# Altium PCB IMX93EVK-SOM_Only-BGA-Fanouts_PrePlaced.PcbDoc (part 3 of 4)
Units mil, origin at the board's own origin, x right, y up, seen from the top; angles counter-clockwise.
Board outline 2903.05 x 2405.84 mil, 6 copper layers (TOP, L2_GND_1, L3_INT_1, L4_PWR, L5_GND_2, BOTTOM), stack 60.244 mil thick; 554 components, 400 nets, 2129 pads, 160 vias.
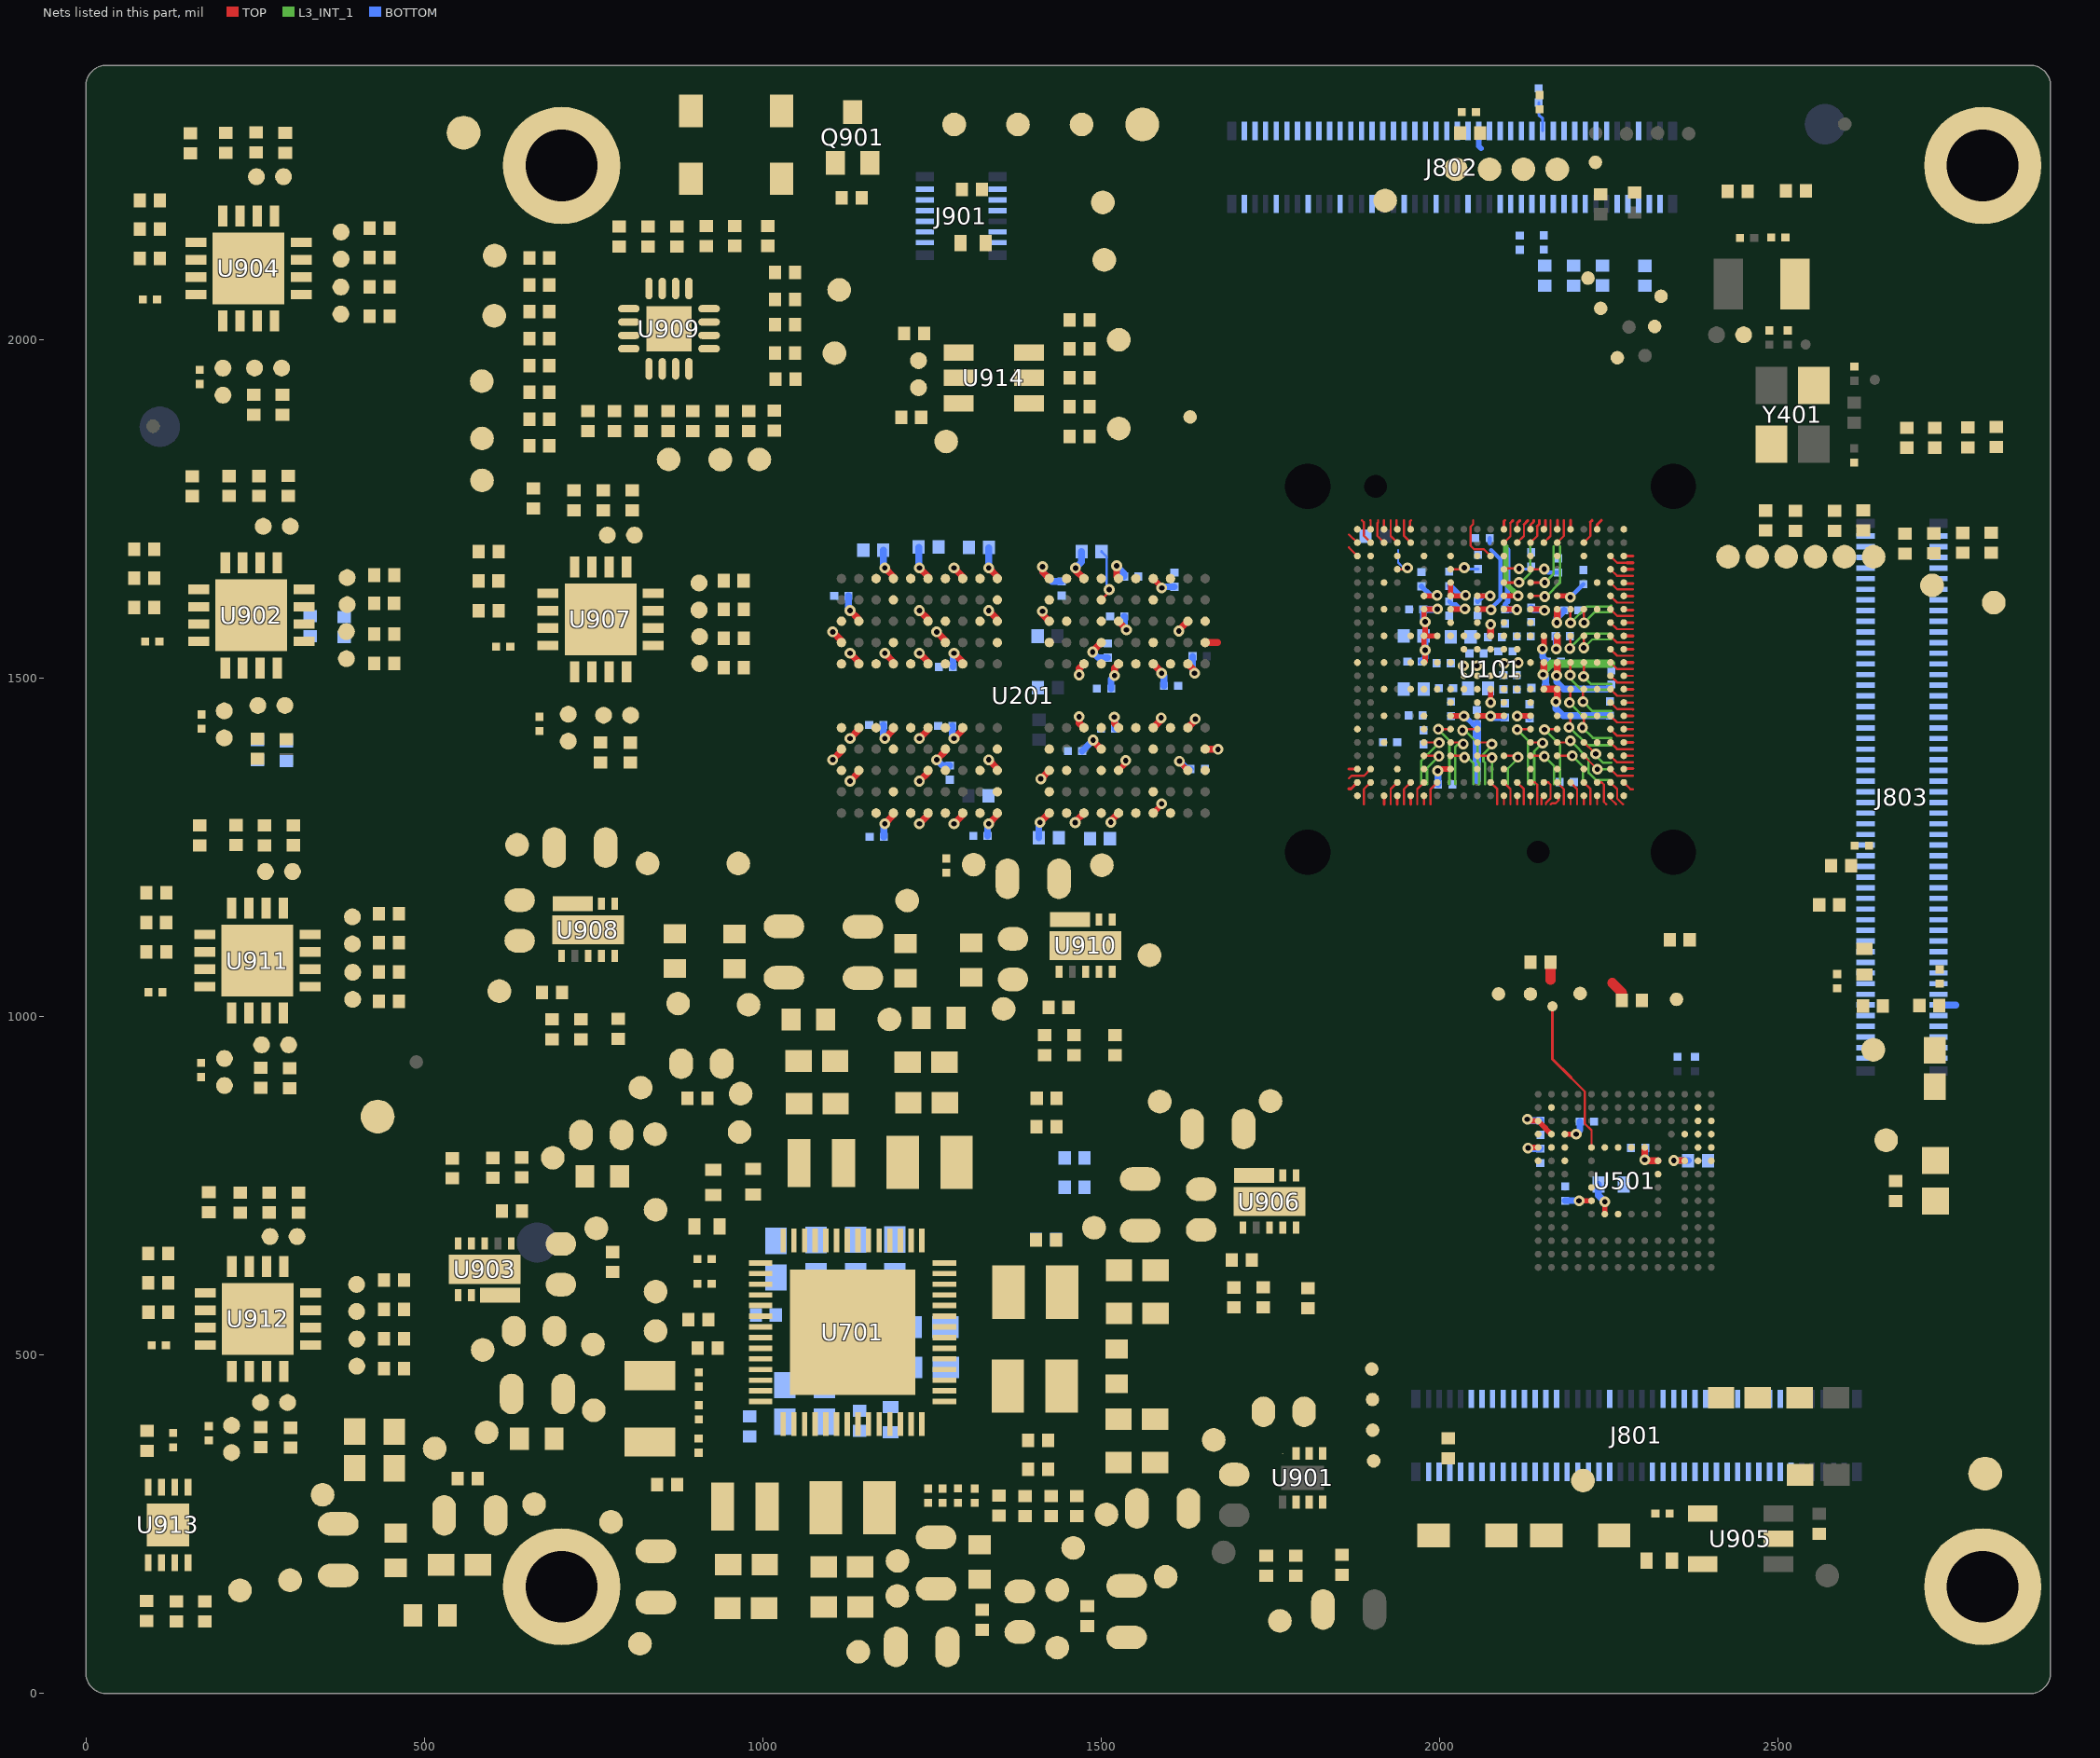
[diagram p6: the nets of this part, all layers, seen from the top]

## Via types
v1: diameter 16, hole 8, TOP to BOTTOM, tented both sides, 160 vias

## Nets (pads, with @x,y where several pads share a name; then routed paths per layer and width w, separated by ;. In a path a pad name is that pad's centre, name@x,y a point inside that pad or via, vN(x,y) a via of type N, cw(c..) or ccw(c..) an arc to the next point about the centre after c; other vN are vias at no path point) (continued)
ENET1_TD3: J801.38 U101.V12 | length 67.1
  TOP w3.2: U101.V12@2095.41,1385.69 2113.84,1385.69 v1(2116.08,1383.45)
  L3_INT_1 w3.2: 2101.44,1355.41 2101.44,1367.1 2116.08,1381.74 v1(2116.08,1383.45)
  L3_INT_1 w3.6: 2101.44,1344 2101.44,1355.41
ENET1_TX_CTL: J801.48 U101.V10 | length 62
  TOP w3.2: U101.V10@2056.03,1385.69 2075.12,1385.69 v1(2077.95,1382.86)
  L3_INT_1 w3.6: 2077.95,1344 v1(2077.95,1382.86)
ENET1_TXC: J801.50 U101.U10 | length 87.5
  TOP w3.2: U101.U10@2056.03,1405.37 2074.98,1405.37 v1(2077.49,1402.86)
  L3_INT_1 w3.6: 2067.55,1344 2067.55,1375.15 2065.15,1377.55 2065.15,1388.17 2077.49,1400.51 v1(2077.49,1402.86)
ENET2_MDC: J801.54 U101.Y7 | length 36.2
  TOP w3.2: 1987.11,1314.16 1987.11,1336.45 U101.Y7@1996.98,1346.32
ENET2_MDIO: J801.56 U101.AA6 | length 12.5
  TOP w3.2: 1977.29,1314.16 U101.AA6@1977.29,1326.63
ENET2_RD0: J801.63 U101.AA4 | length 12.5
  TOP w4.4: 1937.92,1314.16 U101.AA4@1937.92,1326.63
ENET2_RD1: J801.61 U101.Y5 | length 36.2
  TOP w3.2: 1947.78,1314.16 1947.78,1336.49 U101.Y5@1957.61,1346.32
ENET2_RD2: J801.59 U101.AA5 | length 12.5
  TOP w4.4: 1957.61,1314.16 U101.AA5@1957.61,1326.63
ENET2_RD3: J801.57 U101.Y6 | length 36.3
  TOP w3.2: 1967.36,1314.16 1967.36,1336.37 U101.Y6@1977.29,1346.32
ENET2_RX_CTL: J801.67 U101.Y4 | length 36.2
  TOP w3.2: 1928.08,1314.16 1928.08,1336.48 U101.Y4@1937.92,1346.32
ENET2_RXC: J801.69 U101.AA3 | length 12.5
  TOP w4.4: 1918.24,1314.16 U101.AA3@1918.24,1326.63
ENET2_TD0: J801.66 U101.T8 | length 105.8
  TOP w3.2: v1(1998.54,1424.8) 1998.8,1425.06 U101.T8@2016.66,1425.06
  L3_INT_1 w3.6: v1(1998.54,1424.8) 2014.91,1408.43 2014.91,1344
ENET2_TD1: J801.64 U101.U8 | length 89.1
  TOP w3.2: U101.U8@2016.66,1405.37 2033.18,1405.37 v1(2035.34,1403.21)
  L3_INT_1 w3.6: 2023.51,1344 2023.51,1398.91 2029.02,1404.42 2034.13,1404.42 v1(2035.34,1403.21)
ENET2_TD2: J801.60 U101.V8 | length 68.7
  TOP w3.2: U101.V8@2016.66,1385.69 2034.83,1385.69 v1(2037.23,1383.29)
  L3_INT_1 w3.6: v1(2037.23,1383.29) 2039.1,1383.29 2039.15,1383.24 2041.45,1383.24 2050.35,1374.34 2050.35,1344
ENET2_TD3: J801.58 U101.T10 | length 113.9
  TOP w3.2: v1(2034.29,1423.35) 2035.5,1424.56 2039.54,1424.56 2040.04,1425.06 U101.T10@2056.03,1425.06
  L3_INT_1 w3.6: v1(2034.29,1423.35) 2037.43,1423.35 2056.55,1404.23 2056.55,1377.14 2058.95,1374.74 2058.95,1344
ENET2_TX_CTL: J801.68 U101.V6 | length 70.5
  TOP w3.2: U101.V6@1977.29,1385.69 1998.48,1385.69 v1(1999.34,1384.83)
  L3_INT_1 w3.6: 1981.8,1344 1981.8,1367.29 v1(1999.34,1384.83)
ENET2_TXC: J801.70 U101.U6 | length 94.4
  TOP w3.2: U101.U6@1977.29,1405.37 1999.11,1405.37 v1(1999.65,1404.83)
  L3_INT_1 w3.6: 1973.2,1344 1973.2,1378.38 v1(1999.65,1404.83)
FSC_CTRL_H1: R969.2 TP909.1 U901.2
FSC_CTRL_H2: R970.2 TP910.1 U903.5
FSC_CTRL_H3: R972.2 TP911.1 U906.5
FSC_CTRL_H4: R1034.2 TP917.1 U908.5
FSC_CTRL_H5: R1035.2 TP918.1 U910.5
FSC_CTRL_L1: R960.2 TP961.1
FSC_CTRL_L2: R962.2 TP962.1
FSC_CTRL_L3: R963.2 TP963.1
FSC_CTRL_L4: R964.2 TP964.1
FSC_CTRL_L5: R966.2 TP965.1
FT_EECLK: J901.7 R1016.2
FT_EECS: J901.10 R1018.2
FT_EEDATA: J901.9 R1015.2
FT_IO_NINT: J901.4 R961.1 TP906.1
FT_IO_NRST: D903.C J901.6 TP907.1
FT_IOEXP1_SCL: R968.2 U909.15
FT_IOEXP1_SDA: R965.2 U909.14
FT_SCL: J901.3 R906.2 R926.2 R946.2 R968.1 R988.2 R1019.2 R1033.1 TP904.1
FT_SDA: J901.5 R910.2 R928.2 R948.2 R965.1 R990.2 R1021.2 R1032.1 TP905.1
GND: BH801.1 BH802.1 BH803.1 BH804.1 C101.2 C102.2 C106.2 C107.2 C108.2 C109.2 C110.2 C111.2 C114.2 C116.2 C117.2 C118.2 C119.2 C124.2 C129.2 C130.2 C131.2 C132.2 C134.2 C135.2 C136.2 C137.2 C138.2 C139.2 C140.2 C141.2 C142.2 C143.2 C144.2 C145.2 C146.2 C147.2 C148.2 C149.2 C151.2 C152.2 C153.2 C154.2 C155.2 C156.2 C201.2 C202.2 C203.2 C204.2 C205.2 C206.2 C207.2 C208.2 C209.2 C210.2 C211.2 C212.2 C213.2 C214.2 C215.2 C216.2 C217.2 C218.2 C219.2 C220.2 C221.2 C222.2 C401.2 C402.2 C403.2 C404.2 C405.2 C501.2 C502.2 C503.2 C504.2 C505.2 C506.2 C507.2 C508.2 C509.2 C701.1 C702.1 C703.2 C704.2 C705.2 C706.2 C707.2 C708.2 C709.1 C710.2 C711.2 C712.1 C713.1 C714.2 C715.2 C716.2 C717.2 C718.1 C719.2 C720.2 C721.1 C722.2 C723.2 C724.1 C725.2 C726.2 C727.2 C728.2 C729.2 C730.2 C731.2 C801.2 C802.2 C803.2 C804.2 C805.2 C806.2 C807.2 C808.2 C809.2 C901.2 C903.2 C904.2 C906.2 C909.2 C911.2 C912.2 C913.2 C914.2 C915.2 C916.2 C918.2 C919.2 C922.2 C923.2 C925.2 C926.2 C928.2 C929.2 C930.2 C931.2 C934.2 C935.2 C937.2 C938.2 C942.2 C943.2 C944.2 C946.2 C947.2 C951.2 C952.2 C953.2 C954.2 D601.C J801.11 J801.12 J801.13 J801.14 J801.15 J801.16 J801.17 J801.18 J801.28 J801.30 J801.35 J801.36 J801.45 J801.46 J801.52 J801.55 J801.62 J801.65 J801.71 J801.72 J802.1 J802.2 J802.7 J802.8 J802.13 J802.14 J802.19 J802.20 J802.25 J802.26 J802.31 J802.32 J802.37 J802.38 J802.43 J802.44 J802.48 J802.49 J802.54 J802.55 J802.60 J802.65 J802.66 J802.70 J802.71 J802.76 J802.79 J803.9 J803.10 J803.19 J803.20 J803.29 J803.30 J803.39 J803.40 J803.49 J803.50 J803.57 J803.60 J803.67 J803.68 J803.75 J803.76 J803.81 J803.82 J803.83 J803.84 J803.85 J803.86 J803.87 J803.88 J901.2 J901.12 R201.2 R204.2 R207.1 R208.1 R302.1 R303.2 R305.2 R403.2 R415.2 R416.2 R417.2 R418.2 R609.2 R610.2 R611.2 R612.2 R614.2 R718.2 R912.2 R913.2 R930.2 R933.2 R950.2 R955.2 R978.2 R979.2 R980.2 R981.2 R982.2 R992.2 R993.2 R1023.2 R1024.2 TP615.1 TP617.1 TP801.1 TP802.1 TP803.1 TP804.1 U101.A1 U101.A21 U101.AA1 U101.AA21 U101.C2 U101.C4 U101.C6 U101.C8 U101.C10 U101.C12 U101.C14 U101.C16 U101.C18 U101.E3 U101.E19 U101.G3 U101.G19 U101.H8 U101.H10 U101.H12 U101.H14 U101.J3 U101.J5 U101.J8 U101.J14 U101.J19 U101.K11 U101.L1 U101.L3 U101.L5 U101.L8 U101.L14 U101.L19 U101.M11 U101.N3 U101.N5 U101.N8 U101.N14 U101.N19 U101.P8 U101.P10 U101.P12 U101.P14 U101.R3 U101.R19 U101.T1 U101.U3 U101.U19 U101.W4 U101.W6 U101.W10 U101.W12 U101.W14 U101.W16 U101.W18 U201.A3 U201.A10 U201.AB3 U201.AB5 U201.AB8 U201.AB10 U201.C1 U201.C5 U201.C8 U201.C12 U201.D2 U201.D4 U201.D9 U201.D11 U201.E1 U201.E5 U201.E8 U201.E12 U201.G1 U201.G3 U201.G5 U201.G8 U201.G10 U201.G12 U201.J1 U201.J3 U201.J10 U201.J12 U201.K2 U201.K4 U201.K9 U201.K11 U201.N2 U201.N4 U201.N9 U201.N11 U201.P1 U201.P3 U201.P10 U201.P12 U201.T1 U201.T3 U201.T5 U201.T8 U201.T10 U201.T12 U201.V1 U201.V5 U201.V8 U201.V12 U201.W2 U201.W4 U201.W9 U201.W11 U201.Y1 U201.Y5 U201.Y8 U201.Y12 U501.A6 U501.C4 U501.E7 U501.G5 U501.H10 U501.J5 U501.K8 U501.N2 U501.N5 U501.P4 U501.P6 U701.5 U701.43 U701.57 U901.4 U902.3 U902.17 U903.6 U904.3 U904.17 U905.2 U906.6 U907.3 U907.17 U908.6 U909.13 U909.17 U910.6 U911.3 U911.17 U912.3 U912.17 U913.4 U913.5 U913.6 U913.7 U913.9 U914.2 Y401.2 Y401.4
GPIO_IO00: J803.22 U101.J21 | length 13.4
  TOP w4.4: U101.J21@2272.57,1562.85 2285.96,1562.85
GPIO_IO01: J803.24 U101.J20 | length 37.2
  TOP w3.2: U101.J20@2252.89,1562.85 2262.82,1552.92 2285.96,1552.92
GPIO_IO02: J803.28 U101.K20 | length 37.1
  TOP w3.2: U101.K20@2252.89,1543.17 2262.64,1533.42 2285.96,1533.42
GPIO_IO03: J803.26 U101.K21 | length 13.4
  TOP w4.4: U101.K21@2272.57,1543.17 2285.96,1543.17
GPIO_IO04: J803.23 U101.L17 | length 91.6
  TOP w3.6: v1(2193.25,1504.66) 2193.83,1505.24 U101.L17@2193.83,1523.48
  L3_INT_1 w3.6: v1(2193.25,1504.66) 2193.25,1499.66 2209.72,1483.19 2254,1483.19
GPIO_IO05: J803.21 U101.L18 | length 66.1
  TOP w3.6: v1(2213.18,1502.91) 2213.23,1502.96 2213.23,1505.84 2213.52,1506.13 U101.L18@2213.52,1523.48
  L3_INT_1 w3.6: v1(2213.18,1502.91) 2224.3,1491.79 2254,1491.79
GPIO_IO06: J803.27 U101.L20 | length 37.1
  TOP w3.2: U101.L20@2252.89,1523.48 2262.64,1513.73 2285.96,1513.73
GPIO_IO07: J803.25 U101.L21 | length 13.4
  TOP w4.4: U101.L21@2272.57,1523.48 2285.96,1523.48
GPIO_IO08: J803.33 U101.M20 | length 37.1
  TOP w3.2: U101.M20@2252.89,1503.8 2262.65,1494.04 2285.96,1494.04
GPIO_IO09: J803.31 U101.M21 | length 13.4
  TOP w3.2: U101.M21@2272.57,1503.8 2285.96,1503.8
GPIO_IO10: J803.34 U101.N17 | length 90.9
  TOP w3.6: v1(2192.39,1464.13) 2192.99,1464.73 2192.99,1468.02 2193.83,1468.86 U101.N17@2193.83,1484.11
  L3_INT_1 w3.6: v1(2192.39,1464.13) 2213.41,1443.11 2254,1443.11
GPIO_IO11: J803.32 U101.N18 | length 66.4
  TOP w3.6: v1(2212.33,1465.68) 2212.33,1482.92 U101.N18@2213.52,1484.11
  L3_INT_1 w3.6: v1(2212.33,1465.68) 2226.3,1451.71 2254,1451.71
GPIO_IO12: J803.37 U101.N20 | length 37.2
  TOP w3.2: U101.N20@2252.89,1484.11 2262.82,1474.18 2285.96,1474.18
GPIO_IO13: J803.35 U101.N21 | length 13.4
  TOP w4.4: U101.N21@2272.57,1484.11 2285.96,1484.11
GPIO_IO14: J803.42 U101.P20 | length 37.2
  TOP w3.2: U101.P20@2252.89,1464.43 2262.83,1454.49 2285.38,1454.49
  TOP w4.4: 2285.38,1454.49 2285.96,1454.49
GPIO_IO15: J803.41 U101.P21 | length 13.4
  TOP w3.2: U101.P21@2272.58,1464.42 2285.96,1464.42
GPIO_IO16: J803.43 U101.R21 | length 13.4
  TOP w4.4: U101.R21@2272.57,1444.74 2285.96,1444.74
GPIO_IO17: J803.44 U101.R20 | length 37.1
  TOP w3.2: U101.R20@2252.89,1444.74 2262.64,1434.99 2285.96,1434.99
GPIO_IO18: J803.36 U101.R18 | length 67.2
  TOP w3.6: v1(2211.4,1427.36) 2213.52,1429.48 U101.R18@2213.52,1444.74
  L3_INT_1 w3.6: v1(2211.4,1427.36) 2226.74,1412.02 2254,1412.02
GPIO_IO19: J803.38 U101.R17 | length 91.6
  TOP w3.6: v1(2191.4,1427.7) 2193.83,1430.13 U101.R17@2193.83,1444.74
  L3_INT_1 w3.6: v1(2191.4,1427.7) 2192.69,1427.7 2219.1,1401.29 2254,1401.29
GPIO_IO20: J803.48 U101.T20 | length 37.2
  TOP w3.2: U101.T20@2252.89,1425.06 2262.79,1415.16 2285.96,1415.16
GPIO_IO21: J803.46 U101.T21 | length 13.4
  TOP w3.2: U101.T21@2272.57,1425.06 2285.96,1425.06
GPIO_IO22: J803.45 U101.U18 | length 54.2
  TOP w3.2: U101.U18@2213.52,1405.37 2220.43,1398.46 2221.2,1398.46 v1(2231.17,1388.49)
  L3_INT_1 w3.6: v1(2231.17,1388.49) 2231.17,1386.08 2241.68,1375.57 2254,1375.57
GPIO_IO23: J803.52 U101.U20 | length 37.1
  TOP w3.2: U101.U20@2252.89,1405.37 2262.65,1395.61 2285.96,1395.61
GPIO_IO24: J803.47 U101.U21 | length 13.4
  TOP w4.4: U101.U21@2272.57,1405.37 2285.96,1405.37
GPIO_IO25: J803.51 U101.V21 | length 13.4
  TOP w3.2: U101.V21@2272.58,1385.68 2285.96,1385.68
GPIO_IO26: J803.53 U101.V20 | length 37.1
  TOP w3.2: U101.V20@2252.89,1385.69 2262.65,1375.93 2285.96,1375.93
GPIO_IO27: J803.54 U101.W21 | length 13.8
  TOP w4.4: U101.W21@2272.57,1366 2273.45,1366.88 2285.96,1366.88
GPIO_IO28: J803.56 U101.W20 | length 37.2
  TOP w3.2: U101.W20@2252.89,1366 2262.74,1356.15 2285.96,1356.15
GPIO_IO29: J803.58 U101.Y21 | length 17.5
  TOP w3.2: U101.Y21@2272.57,1346.32 2282.57,1336.32 2285.96,1336.32
I2C1_SCL: J803.4 R307.2 R717.1 U101.C20 | length 37.2
  TOP w3: U101.C20@2252.89,1680.96 2262.87,1670.98 2277.23,1670.98
  TOP w4.4: 2277.23,1670.98 2285.96,1670.98
I2C1_SDA: J803.2 R306.2 R719.1 U101.C21 | length 13.4
  TOP w4.4: U101.C21@2272.57,1680.96 2285.96,1680.96
I2C2_SCL: J803.8 R309.2 R714.1 U101.D20 | length 37.1
  TOP w3.2: U101.D20@2252.89,1661.28 2262.64,1651.53 2285.96,1651.53
I2C2_SDA: J803.6 R308.2 R715.1 U101.D21 | length 13.4
  TOP w4.4: U101.D21@2272.57,1661.28 2285.96,1661.28
JTAG_TCK: J801.76 R403.1 TP404.1 U101.Y1 | length 16.3
  TOP w4.4: 1866.4,1336.96 1869.51,1336.96 U101.Y1@1878.87,1346.32
JTAG_TDI: J801.80 TP402.1 U101.W1 | length 12.5
  TOP w4.4: 1866.4,1366 U101.W1@1878.87,1366
JTAG_TDO: J801.74 TP405.1 U101.Y2 | length 36.3
  TOP w3.2: 1888.62,1314.16 1888.62,1336.39 U101.Y2@1898.55,1346.32
JTAG_TMS: J801.78 TP403.1 U101.W2 | length 37.8
  TOP w3.2: 1866.4,1352.35 1870.25,1356.2 1888.76,1356.2 U101.W2@1898.55,1366
LPD4/X_VDD1: C201.1 C202.1 C203.1 C204.1 C205.1 C209.1 R202.2 R1006.1 R1014.2 TP947.1 U201.F1 U201.F12 U201.G4 U201.G9 U201.T4 U201.T9 U201.U1 U201.U12 | length 283.3
  TOP w10: v1(1231.63,1285.28) 1244.48,1298.13 U201.U12@1244.48,1301.05 ; v1(1231.63,1663.28) 1244.48,1650.43 U201.U1@1244.48,1647.51 ; v1(1257.23,1379.78) 1270.07,1392.62 U201.T9@1270.07,1395.54 ; v1(1257.23,1568.78) 1270.07,1555.94 U201.T4@1270.07,1553.02 ; v1(1487.57,1538.94) 1487.57,1540.2 U201.G4@1500.39,1553.02 ; v1(1488.35,1408.86) 1488.35,1407.58 U201.G9@1500.39,1395.54 ; v1(1514.58,1287.5) 1514.58,1289.65 U201.F12@1525.98,1301.05 ; v1(1523.15,1666.33) 1523.15,1650.34 U201.F1@1525.98,1647.51
  BOTTOM w10: C201.1@1230.75,1694.02 1230.75,1664.16 v1(1231.63,1663.28) ; v1(1257.23,1379.78) 1265.59,1371.42 C209.1@1276.46,1371.42 ; C203.1@1472.26,1392.58 1472.26,1392.77 v1(1488.35,1408.86) ; v1(1487.57,1538.94) 1495.7,1530.81 C205.1@1510.08,1530.81 ; v1(1523.15,1666.33) 1534.28,1655.2 C204.1@1534.28,1650.61
LPD4/X_VDD2: C206.1 C207.1 C208.1 C210.1 C211.1 C212.1 C213.1 C214.1 R203.2 R210.1 R1017.2 R1026.1 TP951.1 U201.A4 U201.A9 U201.AB4 U201.AB9 U201.F5 U201.F8 U201.H1 U201.H5 U201.H8 U201.H12 U201.K1 U201.K3 U201.K10 U201.K12 U201.N1 U201.N3 U201.N10 U201.N12 U201.R1 U201.R5 U201.R8 U201.R12 U201.U5 U201.U8 | length 707.2
  TOP w10: v1(1103.63,1379.78) 1116.53,1392.68 U201.AB9@1116.53,1395.54 ; v1(1103.63,1568.78) 1116.53,1555.88 U201.AB4@1116.53,1553.02 ; v1(1231.63,1411.28) 1244.48,1424.13 U201.U8@1244.48,1427.04 ; v1(1231.63,1537.28) 1244.48,1524.43 U201.U5@1244.48,1521.52 ; v1(1282.83,1285.28) 1295.66,1298.11 U201.R12@1295.66,1301.05 ; v1(1282.83,1411.28) 1295.66,1424.11 U201.R8@1295.66,1427.04 ; v1(1282.83,1537.28) 1295.66,1524.45 U201.R5@1295.66,1521.52 ; v1(1282.83,1663.28) 1295.66,1650.45 U201.R1@1295.66,1647.51 ; v1(1334.03,1285.28) 1346.84,1298.09 U201.N12@1346.84,1301.05 ; v1(1334.03,1379.78) 1346.84,1366.97 U201.N10@1346.84,1364.04 ; v1(1334.03,1600.28) 1346.84,1587.47 U201.N3@1346.84,1584.52 ; v1(1334.03,1663.28) 1346.84,1650.47 U201.N1@1346.84,1647.51 ; v1(1409.96,1287.39) U201.K12@1423.62,1301.05 ; v1(1411.09,1351.51) U201.K10@1423.62,1364.04 ; v1(1413.44,1599.38) 1413.44,1594.7 U201.K3@1423.62,1584.52 ; v1(1413.66,1665.06) 1413.66,1657.47 U201.K1@1423.62,1647.51 ; v1(1461.93,1286.93) 1461.93,1288.18 U201.H12@1474.8,1301.05 ; v1(1462.35,1663.11) 1462.35,1659.96 U201.H1@1474.8,1647.51 ; v1(1467.77,1443.38) 1467.77,1434.07 U201.H8@1474.8,1427.04 ; v1(1467.77,1505.18) 1467.77,1514.49 U201.H5@1474.8,1521.52 ; v1(1519.63,1442.82) 1520.02,1442.43 1520.02,1433 U201.F8@1525.98,1427.04 ; v1(1520.02,1504.18) 1520.02,1515.56 U201.F5@1525.98,1521.52 ; U201.A9@1653.93,1395.54 1672.56,1395.54 v1(1672.93,1395.17) ; U201.A4@1653.93,1553.02 1672.49,1553.02
  BOTTOM w10: C213.1@1280.39,1429.76 1280.39,1413.72 v1(1282.83,1411.28) ; C210.1@1281.27,1516.94 1281.27,1535.72 v1(1282.83,1537.28) ; C212.1@1332.27,1267.24 1332.27,1283.52 v1(1334.03,1285.28) ; v1(1334.03,1663.28) 1334.26,1663.51 C207.1@1334.26,1693.39 ; C206.1@1408.29,1264.33 1408.29,1285.72 v1(1409.96,1287.39) ; v1@1413.66,1665 1413.66,1657.47 1427.92,1643.21 C211.1@1442.01,1643.21 ; v1(1462.35,1663.11) 1471.24,1672 R210.1@1471.24,1687.46 ; C214.1@1515.03,1484.94 1515.03,1499.19 v1(1520.02,1504.18) ; v1(1519.63,1442.82) 1520.9,1441.55 C208.1@1520.9,1425.87
LPD4/X_VDD2_1V1: C722.1 C723.1 L706.2 R109.2 R203.1 R702.1 R942.1 R949.1 R1017.1 R1022.1 TP708.1 TP928.1 TP950.1 U701.52 U908.3 U908.11
LPD4/X_VDDQ: C215.1 C216.1 C217.1 C218.1 C219.1 C220.1 C221.1 C222.1 R206.2 R209.1 R923.1 R1007.2 TP949.1 U201.AA3 U201.AA5 U201.AA8 U201.AA10 U201.B3 U201.B5 U201.B8 U201.B10 U201.D1 U201.D5 U201.D8 U201.D12 U201.F3 U201.F10 U201.U3 U201.U10 U201.W1 U201.W5 U201.W8 U201.W12 | length 597.2
  TOP w8: U201.F10@1525.98,1364.04 1536.58,1374.64 v1(1536.58,1378.72) ; U201.D12@1577.16,1301.05 1589.59,1313.48 v1(1589.59,1314.77) ; U201.D1@1577.16,1647.51 1588.95,1635.72 1588.95,1634.45 v1(1589.8,1633.6) ; v1(1616,1377.67) 1616,1376.38 U201.B10@1628.34,1364.04
  TOP w10: v1(1129.23,1348.28) 1142.12,1361.17 U201.AA10@1142.12,1364.04 ; v1(1129.23,1411.28) 1142.12,1424.17 U201.AA8@1142.12,1427.04 ; v1(1129.23,1537.28) 1142.12,1524.39 U201.AA5@1142.12,1521.52 ; v1(1129.23,1600.28) 1142.12,1587.39 U201.AA3@1142.12,1584.52 ; v1(1180.43,1285.28) 1193.3,1298.15 U201.W12@1193.3,1301.05 ; v1(1180.43,1411.28) 1193.3,1424.15 U201.W8@1193.3,1427.04 ; v1(1180.43,1537.28) 1193.3,1524.41 U201.W5@1193.3,1521.52 ; v1(1180.43,1663.28) 1193.3,1650.41 U201.W1@1193.3,1647.51 ; v1(1231.63,1348.28) 1244.48,1361.13 U201.U10@1244.48,1364.04 ; v1(1231.63,1600.28) 1244.48,1587.43 U201.U3@1244.48,1584.52 ; U201.F3@1525.98,1584.52 1537.62,1572.88 v1(1537.62,1571.62) ; U201.D8@1577.16,1427.04 1588.94,1438.82 v1(1588.94,1441.7) ; U201.D5@1577.16,1521.52 1589.66,1509.02 v1(1589.66,1507.74) ; v1(1615.07,1570.05) 1615.07,1571.25 U201.B3@1628.34,1584.52 ; U201.B8@1628.34,1427.04 1639.44,1438.14 v1(1639.44,1439.92) ; U201.B5@1628.34,1521.52 1638.31,1511.55 v1(1638.31,1507.75)